# Altium PCB ChuanGanQi.PcbDoc (continued)
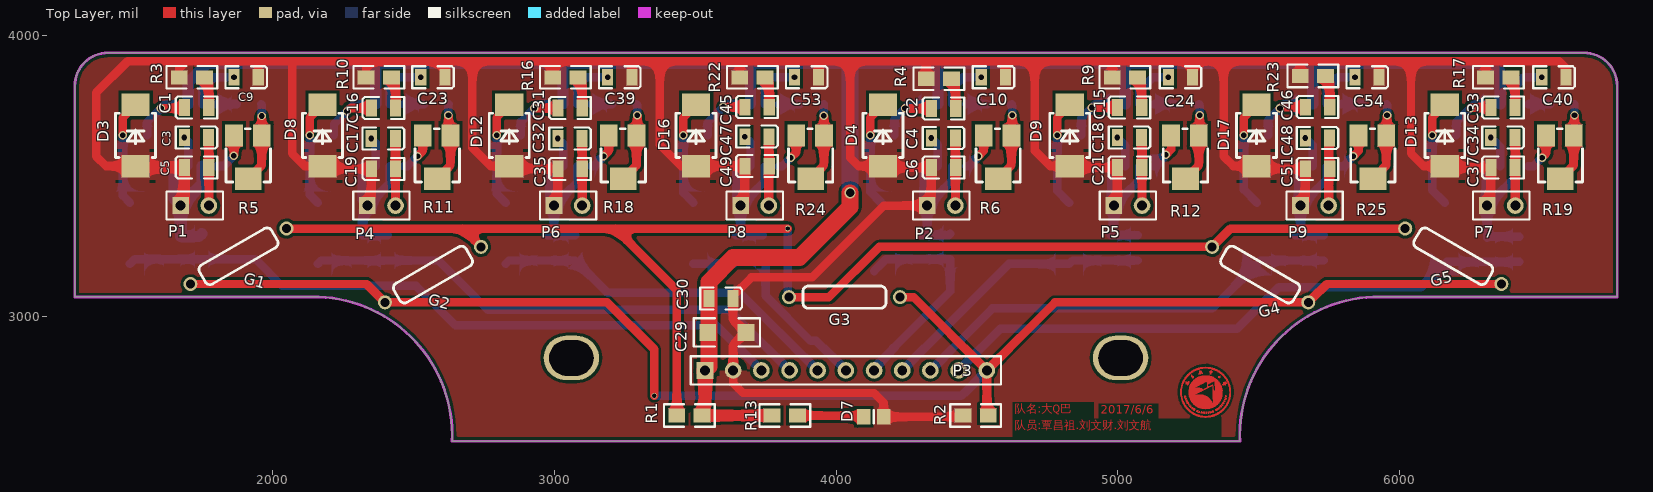
[diagram p0: Top Layer view]
## Nets (pads, with @x,y where several pads share a name; then routed paths per layer and width w, separated by ;. In a path a pad name is that pad's centre, name@x,y a point inside that pad or via, vN(x,y) a via of type N, cw(c..) or ccw(c..) an arc to the next point about the centre after c; other vN are vias at no path point) (continued)
  Top Layer w30: v1(3458.57,3645) 3458.57,3707 D16.2
  Bottom Layer w30: v1(3458.57,3645) 3458.57,3440.71 D14.1
NetC52_1: C52.1 D15.1 D17.2 | length 384.9
  Top Layer w30: v1(5447.14,3645) 5447.14,3707 D17.2
  Bottom Layer w30: v1(5447.14,3645) 5447.14,3451.43 D15.1
NetC53_2: C53.2 U4.7 | length 184.3
  Bottom Layer w30: U4.7 3746.65,3821.65 3775,3850 v1(3852.57,3850)
NetC54_2: C54.2 U8.7 | length 172
  Bottom Layer w30: U8.7 5741.65,3811.65 5780,3850 v1(5841.14,3850)
NetC55_1: C55.1 R24.1 R24.2 | length 286.1
  Top Layer w30: R24.2 3957.24,3537.56 R24.1 3957.24,3712.76 v1(3956.12,3713.88)
  Bottom Layer w30: v1(3956.12,3713.88) 3956.12,3751.74 3955,3752.86 C55.1
NetC55_2: C55.2 U4.8 | length 74.5
  Bottom Layer w30: U4.8 C55.2
NetC56_2: C56.2 D14.2 P3.6 R26.2 | length 767
  Bottom Layer w30: D14.2 C56.2@3637,3188 ; C56.2 3739,3199 R26.2 3750,3190 3750,3075 3910,2915 3930,2915 P3.6
NetC57_1: C57.1 R25.1 R25.2 | length 287.4
  Top Layer w30: R25.2 5952.24,3537.56 R25.1 5955,3646.61 v1(5955,3715)
  Bottom Layer w30: C57.1 5952.24,3752.96 5955,3750.2 v1(5955,3715)
NetC57_2: C57.2 U8.8 | length 76.6
  Bottom Layer w30: U8.8 C57.2
NetC58_2: C58.2 D15.2 P3.9 R27.2 | length 1556.5
  Bottom Layer w30: P3.9 4555,3030 5335.57,3030 D15.2 5505.57,3200 R27.2
NetD7_1: D7.1 R13.2 | length 236.7
  Top Layer w30: R13.2 4093.47,2650 D7.1
NetG1_1: G1.1 G2.1 G3.1 G4.1 G5.1 R1.2 | length 5156.4
  Top Layer w30: G1.1 2675.48,3313.43 ; G2.1 2675.48,3313.43 ; R1.2 3435,3095 3216.57,3313.43 ; v2(3828.43,3313.43) 3216.57,3313.43 ; G3.1 3975,3070 4153.43,3248.43 G4.1 5399.52,3313.43 G5.1 ; 2675.48,3313.43 3216.57,3313.43
  Bottom Layer w30: v2(3828.43,3313.43) 3828.43,3074.72 G3.1
NetG1_2: G1.2 G2.2 G3.2 G4.2 G5.2 P3.11 R2.1 | length 5647
  Top Layer w30: G1.2 2334.52,3116.57 G2.2 3188.43,3051.57 3355,2885 v2(3355,2720) ; G3.2 4275,3070 P3.11 ; R2.1@4535,2655 P3.11 ; G5.2 5740.48,3116.57 G4.2 4776.57,3051.57 P3.11
  Bottom Layer w30: v2(3355,2720) 4445,2720 P3.11
NetR5_3: R5.3 U1.1 | length 149.8
  Top Layer w30: v1(1863.82,3571.18) R5.3
  Bottom Layer w30: U1.1 1827.64,3535 v1(1863.82,3571.18)
NetR6_3: R6.3 U5.1 | length 139.5
  Top Layer w30: v1(4505,3570) 4523.82,3588.82 R6.3
  Bottom Layer w30: U5.1 4470,3535 v1(4505,3570)
NetR11_3: R11.3 U2.1 | length 144.5
  Top Layer w30: v1(2515,3570) 2533.82,3588.82 R11.3
  Bottom Layer w30: U2.1 2480,3535 v1(2515,3570)
NetR12_3: R12.3 U6.1 | length 136.6
  Top Layer w30: v1(5170,3575) 5188.82,3593.82 R12.3
  Bottom Layer w30: U6.1 5130,3535 v1(5170,3575)
NetR18_3: R18.3 U3.1 | length 139.5
  Top Layer w30: v1(3175,3570) 3193.82,3588.82 R18.3
  Bottom Layer w30: U3.1 3140,3535 v1(3175,3570)
NetR19_3: R19.3 U7.1 | length 145.4
  Top Layer w30: v1(6505,3565) 6518.82,3578.82 R19.3
  Bottom Layer w30: U7.1 6475,3535 v1(6505,3565)
NetR24_3: R24.3 U4.1 | length 142.4
  Top Layer w30: v1(3840,3565) 3858.82,3583.82 R24.3
  Bottom Layer w30: U4.1 3810,3535 v1(3840,3565)
NetR25_3: R25.3 U8.1 | length 139.5
  Top Layer w30: v1(5835,3570) 5853.82,3588.82 R25.3
  Bottom Layer w30: U8.1 5800,3535 v1(5835,3570)
copper on no net: | length 11480
  Top Layer w1: 5222,2723 5227,2723 ; 5222,2724 5227,2724 ; 5222,2725 5226,2725 ; 5222,2726 5226,2726 ; 5222,2727 5226,2727 ; 5222,2728 5226,2728 ; 5222,2729 5226,2729 ; 5222,2730 5226,2730 ; 5222,2731 5226,2731 ; 5222,2732 5226,2732 ; 5222,2733 5226,2733 ; 5222,2734 5226,2734 ; 5222,2735 5226,2735 ; 5222,2736 5226,2736 ; 5222,2737 5226,2737 ; 5222,2738 5226,2738 ; 5222,2739 5226,2739 ; 5222,2740 5226,2740 ; 5222,2741 5226,2741 ; 5222,2742 5226,2742 ; 5222,2743 5227,2743 ; 5222,2744 5227,2744 ; 5223,2718 5228,2718 ; 5223,2719 5227,2719 ; 5223,2720 5227,2720 ; 5223,2721 5227,2721 ; 5223,2722 5227,2722 ; 5223,2745 5227,2745 ; 5223,2746 5227,2746 ; 5223,2747 5227,2747 ; 5223,2748 5227,2748 ; 5223,2749 5228,2749 ; 5224,2712 5229,2712 ; 5224,2713 5229,2713 ; 5224,2714 5228,2714 ; 5224,2715 5228,2715 ; 5224,2716 5228,2716 ; 5224,2717 5228,2717 ; 5224,2750 5228,2750 ; 5224,2751 5228,2751 ; 5224,2752 5228,2752 ; 5224,2753 5228,2753 ; 5224,2754 5229,2754 ; 5224,2755 5229,2755 ; 5225,2709 5230,2709 ; 5225,2710 5229,2710 ; 5225,2711 5229,2711 ; 5225,2756 5229,2756 ; 5225,2757 5229,2757 ; 5225,2758 5230,2758 ; 5226,2705 5231,2705 ; 5226,2706 5231,2706 ; 5226,2707 5230,2707 ; 5226,2708 5230,2708 ; 5226,2759 5230,2759 ; 5226,2760 5230,2760 ; 5226,2761 5230,2761 ; 5227,2703 5232,2703 ; 5227,2704 5231,2704 ; 5227,2762 5231,2762 ; 5227,2763 5231,2763 ; 5227,2764 5232,2764 ; 5228,2700 5233,2700 ; 5228,2701 5233,2701 ; 5228,2702 5232,2702 ; 5228,2765 5232,2765 ; 5228,2766 5233,2766 ; 5228,2767 5233,2767 ; 5229,2698 5234,2698 ; 5229,2699 5233,2699 ; 5229,2768 5233,2768 ; 5229,2769 5234,2769 ; 5230,2695 5235,2695 ; 5230,2696 5235,2696 ; 5230,2697 5235,2697 ; 5230,2770 5235,2770 ; 5230,2771 5235,2771 ; 5230,2772 5235,2772 ; 5231,2694 5236,2694 ; 5231,2773 5236,2773 ; 5232,2692 5237,2692 ; 5232,2693 5237,2693 ; 5232,2774 5237,2774 ; 5232,2775 5237,2775 ; 5233,2690 5238,2690 ; 5233,2691 5238,2691 ; 5233,2776 5237,2776 ; 5233,2777 5238,2777 ; 5234,2689 5239,2689 ; 5234,2778 5239,2778 ; 5234,2779 5239,2779 ; 5235,2687 5240,2687 ; 5235,2688 5239,2688 ; 5235,2719 5237,2719 ; 5235,2720 5241,2720 ; 5235,2780 5240,2780 ; 5236,2685 5241,2685 ; 5236,2686 5241,2686 ; 5236,2715 5239,2715 ; 5236,2716 5238,2716 ; 5236,2781 5241,2781 ; 5237,2684 5242,2684 ; 5237,2711 5244,2711 ; 5237,2717 5239,2717 ; 5237,2782 5241,2782 ; 5237,2783 5242,2783 ; 5238,2682 5244,2682 ; 5238,2683 5243,2683 ; 5238,2718 5239,2718 ; 5238,2784 5243,2784 ; 5238,2785 5244,2785 ; 5239,2681 5244,2681 ; 5239,2707 5240,2707 ; 5239,2708 5241,2708 ; 5239,2709 5243,2709 ; 5239,2710 5240,2710 ; 5239,2716 5242,2716 ; 5239,2719 5241,2719 ; 5239,2770 5242,2770 ; 5239,2786 5244,2786 ; 5240,2679 5246,2679 ; 5240,2680 5245,2680 ; 5240,2703 5242,2703 ; 5240,2787 5245,2787 ; 5241,2678 5247,2678 ; 5241,2704 5244,2704 ; 5241,2762 5242,2762 ; 5241,2763 5242,2763 ; 5241,2764 5243,2764 ; 5241,2765 5243,2765 ; 5241,2769 5245,2769 ; 5241,2788 5246,2788 ; 5241,2789 5247,2789 ; 5242,2677 5248,2677 ; 5242,2699 5244,2699 ; 5242,2700 5245,2700 ; 5242,2710 5244,2710 ; 5242,2766 5243,2766 ; 5242,2767 5244,2767 ; 5242,2768 5244,2768 ; 5242,2790 5248,2790 ; 5243,2676 5249,2676 ; 5243,2701 5244,2701 ; 5243,2702 5244,2702 ; 5243,2791 5248,2791 ; 5244,2675 5250,2675 ; 5244,2703 5246,2703 ; 5244,2705 5246,2705 ; 5244,2765 5247,2765 ; 5244,2766 5249,2766 ; 5244,2770 5245,2770 ; 5244,2792 5250,2792 ; 5245,2674 5251,2674 ; 5245,2694 5246,2694 ; 5245,2695 5246,2695 ; 5245,2696 5247,2696 ; 5245,2701 5248,2701 ; 5245,2704 5246,2704 ; 5245,2706 5246,2706 ; 5245,2762 5246,2762 ; 5245,2763 5252,2763 ; 5245,2764 5247,2764 ; 5245,2793 5251,2793 ; 5246,2673 5252,2673 ; 5246,2693 5248,2693 ; 5246,2697 5251,2697 ; 5246,2760 5248,2760 ; 5246,2761 5249,2761 ; 5246,2767 5249,2767 ; 5246,2768 5249,2768 ; 5246,2794 5252,2794 ; 5247,2672 5253,2672 ; 5247,2702 5248,2702 ; 5247,2759 5248,2759 ; 5247,2795 5253,2795 ; 5247,2796 5254,2796 ; 5248,2670 5255,2670 ; 5248,2671 5254,2671 ; 5248,2698 5250,2698 ; 5248,2762 5252,2762 ; 5248,2764 5250,2764 ; 5248,2765 5250,2765 ; 5248,2769 5250,2769 ; 5248,2797 5255,2797 ; 5249,2689 5250,2689 ; 5249,2770 5250,2770 ; 5250,2668 5257,2668 ; 5250,2669 5256,2669 ; 5250,2690 5253,2690 ; 5250,2694 5251,2694 ; 5250,2695 5251,2695 ; 5250,2696 5251,2696 ; 5250,2771 5253,2771 ; 5250,2798 5256,2798 ; 5250,2799 5257,2799 ; 5251,2686 5253,2686 ; 5251,2691 5253,2691 ; 5251,2766 5253,2766 ; 5251,2767 5253,2767 ; 5251,2770 5253,2770 ; 5252,2667 5258,2667 ; 5252,2687 5253,2687 ; 5252,2689 5253,2689 ; 5252,2721 5264,2721 ; 5252,2725 5272,2725 ; 5252,2726 5273,2726 ; 5252,2727 5276,2727 ; 5252,2728 5277,2728 ; 5252,2729 5279,2729 ; 5252,2730 5281,2730 ; 5252,2731 5283,2731 ; 5252,2732 5286,2732 ; 5252,2733 5287,2733 ; 5252,2734 5289,2734 ; 5252,2735 5291,2735 ; 5252,2736 5294,2736 ; 5252,2737 5295,2737 ; 5252,2738 5297,2738 ; 5252,2739 5299,2739 ; 5252,2740 5301,2740 ; 5252,2741 5303,2741 ; 5252,2742 5305,2742 ; 5252,2768 5253,2768 ; 5252,2769 5253,2769 ; 5252,2800 5259,2800 ; 5253,2666 5259,2666 ; 5253,2688 5255,2688 ; 5253,2692 5254,2692 ; 5253,2719 5313,2719 ; 5253,2720 5261,2720 ; 5253,2722 5266,2722 ; 5253,2723 5268,2723 ; 5253,2724 5269,2724 ; 5253,2743 5302,2743 ; 5253,2744 5301,2744 ; 5253,2745 5299,2745 ; 5253,2746 5297,2746 ; 5253,2747 5266,2747 ; 5253,2748 5267,2748 ; 5253,2801 5259,2801 ; 5254,2665 5261,2665 ; 5254,2683 5257,2683 ; 5254,2689 5256,2689 ; 5254,2716 5318,2716 ; 5254,2717 5317,2717 ; 5254,2718 5316,2718 ; 5254,2749 5270,2749 ; 5254,2750 5271,2750 ; 5254,2751 5273,2751 ; 5254,2752 5275,2752 ; 5254,2802 5261,2802 ; 5255,2664 5262,2664 ; 5255,2713 5322,2713 ; 5255,2714 5321,2714 ; 5255,2715 5320,2715 ; 5255,2753 5277,2753 ; 5255,2754 5279,2754 ; 5255,2755 5281,2755 ; 5255,2757 5256,2757 ; 5255,2803 5262,2803 ; 5256,2682 5259,2682 ; 5256,2684 5260,2684 ; 5256,2711 5324,2711 ; 5256,2712 5323,2712 ; 5256,2756 5283,2756 ; 5257,2663 5264,2663 ; 5257,2679 5258,2679 ; 5257,2680 5258,2680 ; 5257,2681 5259,2681 ; 5257,2708 5327,2708 ; 5257,2709 5326,2709 ; 5257,2710 5325,2710 ; 5257,2757 5285,2757 ; 5257,2758 5287,2758 ; 5257,2759 5289,2759 ; 5257,2761 5258,2761 ; 5257,2804 5264,2804 ; 5258,2662 5265,2662 ; 5258,2685 5260,2685 ; 5258,2707 5328,2707 ; 5258,2760 5291,2760 ; 5258,2805 5265,2805 ; 5259,2661 5267,2661 ; 5259,2683 5260,2683 ; 5259,2705 5329,2705 ; 5259,2706 5328,2706 ; 5259,2761 5293,2761 ; 5259,2762 5295,2762 ; 5259,2763 5297,2763 ; 5259,2806 5268,2806 ; 5260,2677 5261,2677 ; 5260,2703 5330,2703 ; 5260,2704 5330,2704 ; 5260,2764 5298,2764 ; 5260,2790 5262,2790 ; 5260,2793 5264,2793 ; 5261,2660 5268,2660 ; 5261,2678 5262,2678 ; 5261,2701 5332,2701 ; 5261,2702 5331,2702 ; 5261,2765 5301,2765 ; 5261,2766 5302,2766 ; 5261,2789 5262,2789 ; 5261,2791 5264,2791 ; 5261,2794 5263,2794 ; 5261,2807 5268,2807 ; 5262,2659 5270,2659 ; 5262,2679 5265,2679 ; 5262,2680 5265,2680 ; 5262,2700 5333,2700 ; 5262,2767 5305,2767 ; 5262,2788 5266,2788 ; 5262,2792 5264,2792 ; 5262,2808 5270,2808 ; 5263,2674 5265,2674 ; 5263,2675 5266,2675 ; 5263,2676 5264,2676 ; 5263,2699 5333,2699 ; 5263,2720 5312,2720 ; 5263,2768 5306,2768 ; 5263,2787 5266,2787 ; 5263,2789 5265,2789 ; 5263,2790 5264,2790 ; 5264,2658 5273,2658 ; 5264,2678 5265,2678 ; 5264,2697 5335,2697 ; 5264,2698 5334,2698 ; 5264,2769 5309,2769 ; 5264,2770 5310,2770 ; 5264,2784 5268,2784 ; 5264,2785 5266,2785 ; 5264,2786 5265,2786 ; 5264,2809 5272,2809 ; 5265,2657 5274,2657 ; 5265,2676 5266,2676 ; 5265,2696 5335,2696 ; 5265,2771 5313,2771 ; 5265,2810 5274,2810 ; 5266,2677 5267,2677 ; 5266,2695 5335,2695 ; 5266,2772 5315,2772 ; 5266,2786 5269,2786 ; 5266,2789 5269,2789 ; 5267,2656 5277,2656 ; 5267,2678 5268,2678 ; 5267,2694 5336,2694 ; 5267,2721 5309,2721 ; 5267,2773 5340,2773 ; 5267,2785 5268,2785 ; 5267,2787 5269,2787 ; 5267,2788 5269,2788 ; 5267,2811 5277,2811 ; 5268,2655 5278,2655 ; 5268,2671 5269,2671 ; 5268,2672 5269,2672 ; 5268,2673 5269,2673 ; 5268,2674 5270,2674 ; 5268,2692 5301,2692 ; 5268,2693 5337,2693 ; 5268,2774 5342,2774 ; 5268,2775 5354,2775 ; 5268,2812 5278,2812 ; 5269,2670 5270,2670 ; 5269,2675 5273,2675 ; 5270,2669 5272,2669 ; 5270,2672 5272,2672 ; 5270,2690 5301,2690 ; 5270,2691 5300,2691 ; 5270,2722 5307,2722 ; 5270,2747 5293,2747 ; 5270,2776 5353,2776 ; 5270,2777 5352,2777 ; 5271,2654 5281,2654 ; 5271,2670 5273,2670 ; 5271,2671 5273,2671 ; 5271,2813 5281,2813 ; 5272,2689 5301,2689 ; 5272,2778 5350,2778 ; 5272,2779 5350,2779 ; 5273,2653 5284,2653 ; 5273,2673 5274,2673 ; 5273,2674 5274,2674 ; 5273,2688 5301,2688 ; 5273,2814 5284,2814 ; 5274,2687 5300,2687 ; 5274,2748 5290,2748 ; 5274,2780 5348,2780 ; 5275,2652 5288,2652 ; 5275,2686 5300,2686 ; 5275,2781 5347,2781 ; 5275,2815 5288,2815 ; 5276,2723 5303,2723 ; 5277,2651 5290,2651 ; 5277,2685 5347,2685 ; 5277,2782 5346,2782 ; 5277,2816 5290,2816 ; 5278,2665 5279,2665 ; 5278,2684 5345,2684 ; 5278,2783 5345,2783 ; 5279,2666 5280,2666 ; 5279,2667 5282,2667 ; 5280,2650 5296,2650 ; 5280,2668 5281,2668 ; 5280,2669 5281,2669 ; 5280,2683 5343,2683 ; 5280,2784 5342,2784 ; 5280,2817 5296,2817 ; 5281,2682 5341,2682 ; 5281,2785 5341,2785 ; 5282,2649 5302,2649 ; 5282,2664 5283,2664 ; 5282,2665 5284,2665 ; 5282,2666 5284,2666 ; 5282,2724 5298,2724 ; 5282,2818 5302,2818 ; 5283,2667 5284,2667 ; 5283,2681 5340,2681 ; 5283,2786 5340,2786 ; 5284,2668 5285,2668 ; 5285,2648 5338,2648 ; 5285,2680 5337,2680 ; 5286,2662 5287,2662 ; 5286,2663 5289,2663 ; 5286,2787 5338,2787 ; 5286,2798 5288,2798 ; 5286,2799 5288,2799 ; 5286,2819 5337,2819 ; 5287,2664 5288,2664 ; 5287,2679 5335,2679 ; 5287,2788 5335,2788 ; 5288,2662 5291,2662 ; 5288,2665 5289,2665 ; 5288,2800 5293,2800 ; 5288,2801 5293,2801 ; 5288,2804 5292,2804 ; 5288,2805 5292,2805 ; 5288,2809 5291,2809 ; 5289,2647 5334,2647 ; 5289,2666 5291,2666 ; 5289,2799 5291,2799 ; 5289,2802 5293,2802 ; 5289,2803 5293,2803 ; 5289,2806 5291,2806 ; 5289,2807 5290,2807 ; 5289,2808 5291,2808 ; 5290,2660 5291,2660 ; 5290,2661 5291,2661 ; 5290,2663 5291,2663 ; 5290,2664 5291,2664 ; 5290,2665 5291,2665 ; 5290,2678 5332,2678 ; 5290,2789 5333,2789 ; 5290,2798 5291,2798 ; 5290,2820 5333,2820 ; 5292,2677 5330,2677 ; 5292,2790 5330,2790 ; 5292,2798 5294,2798 ; 5292,2799 5293,2799 ; 5292,2821 5330,2821 ; 5293,2646 5330,2646 ; 5293,2804 5297,2804 ; 5293,2809 5296,2809 ; 5294,2659 5295,2659 ; 5294,2660 5295,2660 ; 5294,2661 5295,2661 ; 5294,2662 5295,2662 ; 5294,2801 5295,2801 ; 5294,2802 5297,2802 ; 5294,2805 5297,2805 ; 5295,2664 5297,2664 ; 5295,2665 5297,2665 ; 5295,2803 5297,2803 ; 5295,2806 5297,2806 ; 5295,2808 5296,2808 ; 5296,2662 5297,2662 ; 5296,2663 5297,2663 ; 5296,2807 5297,2807 ; 5297,2659 5299,2659 ; 5297,2660 5298,2660 ; 5297,2661 5298,2661 ; 5297,2676 5326,2676 ; 5297,2791 5326,2791 ; 5297,2800 5301,2800 ; 5299,2645 5324,2645 ; 5299,2661 5300,2661 ; 5299,2662 5300,2662 ; 5299,2663 5300,2663 ; 5299,2664 5300,2664 ; 5299,2801 5302,2801 ; 5299,2822 5323,2822 ; 5300,2675 5322,2675 ; 5301,2792 5324,2792 ; 5302,2660 5304,2660 ; 5302,2661 5304,2661 ; 5302,2687 5308,2687 ; 5302,2688 5306,2688 ; 5302,2689 5306,2689 ; 5302,2690 5305,2690 ; 5302,2691 5306,2691 ; 5302,2692 5306,2692 ; 5303,2659 5304,2659 ; 5303,2662 5304,2662 ; 5303,2663 5308,2663 ; 5303,2686 5307,2686 ; 5304,2658 5308,2658 ; 5304,2743 5307,2743 ; 5305,2744 5309,2744 ; 5306,2659 5308,2659 ; 5306,2660 5308,2660 ; 5307,2662 5308,2662 ; 5307,2690 5309,2690 ; 5307,2691 5309,2691 ; 5308,2688 5309,2688 ; 5308,2689 5309,2689 ; 5308,2745 5311,2745 ; 5309,2644 5310,2644 ; 5309,2686 5315,2686 ; 5309,2692 5314,2692 ; 5309,2746 5313,2746 ; 5310,2687 5315,2687 ; 5310,2688 5316,2688 ; 5310,2691 5313,2691 ; 5311,2658 5313,2658 ; 5311,2659 5315,2659 ; 5311,2660 5314,2660 ; 5311,2661 5314,2661 ; 5311,2662 5315,2662 ; 5311,2663 5312,2663 ; 5311,2673 5312,2673 ; 5311,2689 5315,2689 ; 5311,2690 5313,2690 ; 5311,2823 5312,2823 ; 5312,2644 5313,2644 ; 5312,2747 5315,2747 ; 5313,2748 5317,2748 ; 5314,2658 5316,2658 ; 5314,2663 5315,2663 ; 5314,2690 5322,2690 ; 5316,2691 5319,2691 ; 5316,2749 5319,2749 ; 5316,2769 5332,2769 ; 5316,2770 5334,2770 ; 5316,2772 5338,2772 ; 5317,2686 5319,2686 ; 5317,2687 5320,2687 ; 5317,2689 5322,2689 ; 5317,2692 5320,2692 ; 5317,2750 5321,2750 ; 5317,2751 5322,2751 ; 5317,2752 5325,2752 ; 5317,2753 5326,2753 ; 5317,2754 5319,2754 ; 5317,2755 5318,2755 ; 5317,2756 5318,2756 ; 5317,2757 5318,2757 ; 5317,2758 5318,2758 ; 5317,2759 5318,2759 ; 5317,2760 5318,2760 ; 5317,2761 5319,2761 ; 5317,2762 5319,2762 ; 5317,2763 5320,2763 ; 5317,2764 5322,2764 ; 5317,2765 5324,2765 ; 5317,2766 5326,2766 ; 5317,2767 5328,2767 ; 5317,2768 5330,2768 ; 5317,2771 5336,2771 ; 5318,2688 5321,2688 ; 5319,2659 5320,2659 ; 5319,2660 5320,2660 ; 5319,2661 5320,2661 ; 5319,2662 5320,2662 ; 5319,2663 5320,2663 ; 5320,2664 5322,2664 ; 5320,2686 5321,2686 ; 5320,2691 5322,2691 ; 5321,2649 5340,2649 ; 5321,2658 5322,2658 ; 5321,2687 5323,2687 ; 5321,2818 5340,2818 ; 5322,2663 5324,2663 ; 5323,2659 5324,2659 ; 5323,2660 5324,2660 ; 5323,2661 5324,2661 ; 5323,2662 5324,2662 ; 5323,2688 5350,2688 ; 5323,2692 5337,2692 ; 5324,2686 5347,2686 ; 5324,2687 5348,2687 ; 5324,2689 5350,2689 ; 5324,2690 5352,2690 ; 5324,2691 5353,2691 ; 5325,2805 5326,2805 ; 5325,2806 5327,2806 ; 5326,2664 5329,2664 ; 5326,2665 5328,2665 ; 5326,2754 5329,2754 ; 5326,2798 5332,2798 ; 5326,2807 5335,2807 ; 5326,2817 5343,2817 ; 5327,2650 5343,2650 ; 5327,2661 5328,2661 ; 5327,2662 5328,2662 ; 5327,2663 5328,2663 ; 5327,2755 5330,2755 ; 5327,2808 5328,2808 ; 5328,2659 5329,2659 ; 5328,2660 5329,2660 ; 5328,2799 5330,2799 ; 5328,2800 5331,2800 ; 5328,2801 5331,2801 ; 5328,2803 5329,2803 ; 5328,2804 5330,2804 ; 5328,2805 5330,2805 ; 5329,2663 5330,2663 ; 5329,2756 5333,2756 ; 5330,2661 5333,2661 ; 5330,2662 5331,2662 ; 5330,2802 5331,2802 ; 5330,2808 5333,2808 ; 5331,2660 5332,2660 ; 5331,2663 5333,2663 ; 5331,2664 5332,2664 ; 5331,2665 5332,2665 ; 5331,2666 5332,2666 ; 5331,2757 5334,2757 ; 5331,2803 5333,2803 ; 5331,2804 5333,2804 ; 5331,2805 5333,2805 ; 5331,2809 5333,2809 ; 5331,2810 5332,2810 ; 5332,2651 5346,2651 ; 5332,2662 5333,2662 ; 5332,2806 5333,2806 ; 5332,2816 5346,2816 ; 5333,2758 5337,2758 ; 5335,2652 5348,2652 ; 5335,2663 5340,2663 ; 5335,2664 5336,2664 ; 5335,2665 5336,2665 ; 5335,2666 5336,2666 ; 5335,2667 5336,2667 ; 5335,2759 5337,2759 ; 5335,2805 5337,2805 ; 5335,2806 5337,2806 ; 5335,2815 5348,2815 ; 5336,2746 5338,2746 ; 5336,2748 5338,2748 ; 5336,2749 5338,2749 ; 5336,2750 5338,2750 ; 5336,2751 5338,2751 ; 5336,2752 5338,2752 ; 5336,2753 5338,2753 ; 5336,2754 5338,2754 ; 5336,2755 5338,2755 ; 5336,2756 5337,2756 ; 5336,2757 5337,2757 ; 5337,2662 5338,2662 ; 5337,2668 5339,2668 ; 5337,2709 5366,2709 ; 5337,2710 5366,2710 ; 5337,2711 5366,2711 ; 5337,2712 5368,2712 ; 5337,2713 5367,2713 ; 5337,2714 5368,2714 ; 5337,2715 5368,2715 ; 5337,2716 5368,2716 ; 5337,2717 5368,2717 ; 5337,2718 5370,2718 ; 5337,2719 5369,2719 ; 5337,2720 5369,2720 ; 5337,2721 5370,2721 ; 5337,2722 5370,2722 ; 5337,2723 5370,2723 ; 5337,2724 5370,2724 ; 5337,2725 5370,2725 ; 5337,2726 5370,2726 ; 5337,2727 5370,2727 ; 5337,2728 5371,2728 ; 5337,2729 5371,2729 ; 5337,2730 5371,2730 ; 5337,2731 5371,2731 ; 5337,2732 5371,2732 ; 5337,2733 5371,2733 ; 5337,2734 5371,2734 ; 5337,2735 5344,2735 ; 5337,2736 5344,2736 ; 5337,2737 5343,2737 ; 5337,2738 5342,2738 ; 5337,2739 5342,2739 ; 5337,2740 5341,2740 ; 5337,2741 5340,2741 ; 5337,2742 5339,2742 ; 5337,2743 5339,2743 ; 5337,2744 5338,2744 ; 5337,2745 5338,2745 ; 5337,2747 5338,2747 ; 5338,2665 5341,2665 ; 5338,2692 5354,2692 ; 5338,2693 5355,2693 ; 5338,2694 5356,2694 ; 5338,2695 5357,2695 ; 5338,2696 5357,2696 ; 5338,2697 5359,2697 ; 5338,2698 5359,2698 ; 5338,2699 5360,2699 ; 5338,2700 5361,2700 ; 5338,2701 5361,2701 ; 5338,2702 5362,2702 ; 5338,2703 5363,2703 ; 5338,2704 5363,2704 ; 5338,2705 5365,2705 ; 5338,2706 5364,2706 ; 5338,2707 5365,2707 ; 5338,2708 5365,2708 ; 5339,2653 5350,2653 ; 5339,2664 5341,2664 ; 5339,2666 5340,2666 ; 5339,2814 5350,2814 ; 5341,2654 5352,2654 ; 5341,2813 5352,2813 ; 5344,2655 5354,2655 ; 5344,2757 5366,2757 ; 5344,2758 5366,2758 ; 5344,2759 5365,2759 ; 5344,2760 5365,2760 ; 5344,2761 5364,2761 ; 5344,2762 5364,2762 ; 5344,2763 5363,2763 ; 5344,2764 5363,2764 ; 5344,2765 5362,2765 ; 5344,2766 5361,2766 ; 5344,2767 5361,2767 ; 5344,2768 5360,2768 ; 5344,2769 5359,2769 ; 5344,2770 5358,2770 ; 5344,2771 5357,2771 ; 5344,2772 5357,2772 ; 5344,2773 5356,2773 ; 5344,2774 5355,2774 ; 5344,2812 5354,2812 ; 5345,2735 5371,2735 ; 5345,2736 5371,2736 ; 5345,2737 5371,2737 ; 5345,2738 5371,2738 ; 5345,2739 5371,2739 ; 5345,2740 5372,2740 ; 5345,2741 5370,2741 ; 5345,2742 5370,2742 ; 5345,2743 5370,2743 ; 5345,2744 5370,2744 ; 5345,2745 5370,2745 ; 5345,2746 5370,2746 ; 5345,2747 5370,2747 ; 5345,2748 5369,2748 ; 5345,2749 5369,2749 ; 5345,2750 5368,2750 ; 5345,2751 5369,2751 ; 5345,2752 5368,2752 ; 5345,2753 5368,2753 ; 5345,2754 5368,2754 ; 5345,2755 5367,2755 ; 5345,2756 5367,2756 ; 5346,2656 5355,2656 ; 5346,2670 5348,2670 ; 5346,2671 5347,2671 ; 5346,2672 5347,2672 ; 5346,2811 5355,2811 ; 5347,2669 5348,2669 ; 5348,2668 5351,2668 ; 5349,2657 5358,2657 ; 5349,2673 5351,2673 ; 5349,2674 5350,2674 ; 5349,2810 5357,2810 ; 5350,2658 5359,2658 ; 5350,2671 5352,2671 ; 5350,2672 5352,2672 ; 5350,2809 5359,2809 ; 5351,2669 5352,2669 ; 5351,2670 5352,2670 ; 5352,2676 5356,2676 ; 5353,2659 5361,2659 ; 5353,2675 5354,2675 ; 5353,2690 5354,2690 ; 5353,2808 5361,2808 ; 5354,2660 5362,2660 ; 5354,2673 5356,2673 ; 5354,2674 5355,2674 ; 5354,2807 5362,2807 ; 5355,2661 5363,2661 ; 5355,2672 5356,2672 ; 5355,2675 5357,2675 ; 5355,2806 5363,2806 ; 5356,2678 5357,2678 ; 5356,2679 5357,2679 ; 5356,2786 5359,2786 ; 5356,2787 5364,2787 ; 5357,2662 5365,2662 ; 5357,2676 5359,2676 ; 5357,2677 5358,2677 ; 5357,2789 5359,2789 ; 5357,2790 5358,2790 ; 5357,2805 5365,2805 ; 5358,2674 5359,2674 ; 5358,2675 5360,2675 ; 5358,2696 5359,2696 ; 5359,2663 5366,2663 ; 5359,2681 5361,2681 ; 5359,2682 5360,2682 ; 5359,2782 5360,2782 ; 5359,2783 5360,2783 ; 5359,2784 5360,2784 ; 5359,2788 5362,2788 ; 5359,2804 5366,2804 ; 5360,2664 5368,2664 ; 5360,2680 5361,2680 ; 5361,2679 5362,2679 ; 5361,2789 5362,2789 ; 5361,2802 5368,2802 ; 5361,2803 5367,2803 ; 5362,2665 5368,2665 ; 5362,2678 5364,2678 ; 5362,2684 5364,2684 ; 5362,2786 5364,2786 ; 5362,2790 5364,2790 ; 5363,2683 5366,2683 ; 5363,2791 5364,2791 ; 5363,2801 5370,2801 ; 5364,2666 5370,2666 ; 5364,2667 5370,2667 ; 5364,2687 5366,2687 ; 5364,2800 5371,2800 ; 5365,2682 5368,2682 ; 5365,2686 5366,2686 ; 5366,2668 5373,2668 ; 5366,2684 5367,2684 ; 5366,2685 5367,2685 ; 5366,2799 5372,2799 ; 5367,2669 5373,2669 ; 5367,2683 5368,2683 ; 5367,2690 5368,2690 ; 5367,2798 5373,2798 ; 5368,2670 5374,2670 ; 5368,2689 5370,2689 ; 5368,2691 5369,2691 ; 5368,2797 5375,2797 ; 5369,2671 5375,2671 ; 5369,2688 5371,2688 ; 5369,2692 5370,2692 ; 5369,2796 5375,2796 ; 5370,2672 5376,2672 ; 5370,2687 5372,2687 ; 5370,2690 5371,2690 ; 5370,2795 5376,2795 ; 5371,2673 5377,2673 ; 5371,2686 5372,2686 ; 5371,2695 5373,2695 ; 5371,2696 5372,2696 ; 5371,2761 5372,2761 ; 5371,2794 5377,2794 ; 5372,2674 5378,2674 ; 5372,2688 5373,2688 ; 5372,2694 5375,2694 ; 5372,2697 5373,2697 ; 5372,2760 5377,2760 ; 5372,2793 5378,2793 ; 5373,2675 5379,2675 ; 5373,2689 5374,2689 ; 5373,2698 5375,2698 ; 5373,2759 5374,2759 ; 5373,2762 5376,2762 ; 5373,2763 5374,2763 ; 5373,2767 5376,2767 ; 5373,2792 5379,2792 ; 5374,2676 5380,2676 ; 5374,2693 5377,2693 ; 5374,2695 5375,2695 ; 5374,2696 5378,2696 ; 5374,2697 5375,2697 ; 5374,2761 5377,2761 ; 5374,2768 5376,2768 ; 5374,2791 5379,2791 ; 5375,2677 5381,2677 ; 5375,2692 5376,2692 ; 5375,2701 5378,2701 ; 5375,2702 5376,2702 ; 5375,2703 5376,2703 ; 5375,2764 5378,2764 ; 5375,2790 5381,2790 ; 5376,2678 5381,2678 ; 5376,2704 5378,2704 ; 5376,2789 5381,2789 ; 5377,2679 5382,2679 ; 5377,2680 5383,2680 ; 5377,2695 5378,2695 ; 5377,2702 5379,2702 ; 5377,2708 5380,2708 ; 5377,2759 5378,2759 ; 5377,2762 5382,2762 ; 5377,2763 5382,2763 ; 5377,2766 5386,2766 ; 5377,2767 5378,2767 ; 5377,2768 5379,2768 ; 5377,2787 5383,2787 ; 5377,2788 5382,2788 ; 5378,2703 5381,2703 ; 5378,2765 5384,2765 ; 5378,2786 5384,2786 ; 5379,2681 5384,2681 ; 5379,2682 5384,2682 ; 5379,2699 5380,2699 ; 5379,2700 5381,2700 ; 5379,2711 5380,2711 ; 5379,2712 5380,2712 ; 5379,2713 5384,2713 ; 5379,2764 5385,2764 ; 5379,2767 5385,2767 ; 5379,2769 5383,2769 ; 5379,2784 5385,2784 ; 5379,2785 5384,2785 ; 5380,2683 5385,2683 ; 5380,2701 5381,2701 ; 5380,2702 5381,2702 ; 5380,2707 5384,2707 ; 5380,2714 5381,2714 ; 5380,2715 5381,2715 ; 5380,2761 5383,2761 ; 5380,2768 5382,2768 ; 5381,2684 5386,2684 ; 5381,2685 5386,2685 ; 5381,2712 5386,2712 ; 5381,2719 5387,2719 ; 5381,2722 5383,2722 ; 5381,2760 5382,2760 ; 5381,2782 5386,2782 ; 5381,2783 5386,2783 ; 5382,2686 5387,2686 ; 5382,2706 5383,2706 ; 5382,2721 5384,2721 ; 5382,2781 5387,2781 ; 5383,2687 5388,2687 ; 5383,2780 5388,2780 ; 5384,2688 5388,2688 ; 5384,2689 5389,2689 ; 5384,2720 5387,2720 ; 5384,2768 5385,2768 ; 5384,2778 5389,2778 ; 5384,2779 5388,2779 ; 5385,2690 5390,2690 ; 5385,2691 5390,2691 ; 5385,2765 5386,2765 ; 5385,2776 5390,2776 ; 5385,2777 5390,2777 ; 5386,2692 5390,2692 ; 5386,2693 5391,2693 ; 5386,2774 5391,2774 ; 5386,2775 5390,2775 ; 5387,2694 5392,2694 ; 5387,2695 5392,2695 ; 5387,2772 5392,2772 ; 5387,2773 5391,2773 ; 5388,2696 5393,2696 ; 5388,2697 5393,2697 ; 5388,2770 5393,2770 ; 5388,2771 5393,2771 ; 5389,2698 5393,2698 ; 5389,2699 5394,2699 ; 5389,2768 5394,2768 ; 5389,2769 5393,2769 ; 5390,2700 5394,2700 ; 5390,2701 5395,2701 ; 5390,2702 5395,2702 ; 5390,2765 5395,2765 ; 5390,2766 5395,2766 ; 5390,2767 5394,2767 ; 5391,2703 5395,2703 ; 5391,2704 5396,2704 ; 5391,2763 5396,2763 ; 5391,2764 5395,2764 ; 5392,2705 5396,2705 ; 5392,2706 5397,2706 ; 5392,2760 5397,2760 ; 5392,2761 5397,2761 ; 5392,2762 5396,2762 ; 5393,2707 5397,2707 ; 5393,2708 5397,2708 ; 5393,2709 5397,2709 ; 5393,2710 5398,2710 ; 5393,2711 5398,2711 ; 5393,2757 5398,2757 ; 5393,2758 5397,2758 ; 5393,2759 5397,2759 ; 5394,2712 5398,2712 ; 5394,2713 5398,2713 ; 5394,2714 5399,2714 ; 5394,2754 5399,2754 ; 5394,2755 5398,2755 ; 5394,2756 5398,2756 ; 5395,2715 5399,2715 ; 5395,2716 5399,2716 ; 5395,2717 5399,2717 ; 5395,2718 5399,2718 ; 5395,2719 5400,2719 ; 5395,2720 5400,2720 ; 5395,2747 5400,2747 ; 5395,2748 5400,2748 ; 5395,2749 5399,2749 ; 5395,2750 5399,2750 ; 5395,2751 5399,2751 ; 5395,2752 5399,2752 ; 5395,2753 5399,2753 ; 5396,2721 5400,2721 ; 5396,2722 5400,2722 ; 5396,2723 5400,2723 ; 5396,2724 5400,2724 ; 5396,2725 5401,2725 ; 5396,2726 5401,2726 ; 5396,2727 5401,2727 ; 5396,2728 5401,2728 ; 5396,2738 5401,2738 ; 5396,2740 5401,2740 ; 5396,2741 5401,2741 ; 5396,2742 5401,2742 ; 5396,2743 5400,2743 ; 5396,2744 5400,2744 ; 5396,2745 5400,2745 ; 5396,2746 5400,2746 ; 5397,2729 5401,2729 ; 5397,2730 5401,2730 ; 5397,2731 5401,2731 ; 5397,2732 5401,2732 ; 5397,2733 5401,2733 ; 5397,2734 5401,2734 ; 5397,2735 5401,2735 ; 5397,2736 5401,2736 ; 5397,2737 5401,2737 ; 5397,2739 5401,2739

## Polygon pours and split planes (outlines as drawn)
NetC29_1 on Bottom Layer "Bottom Layer-No Net" (solid, remove dead copper, pour order 18): 1250,3950 1250,3850 6800,3850 6800,3950
GND on Bottom Layer "Bottom Layer-No Net" (solid, remove dead copper, pour order 26): 1250,3850 1250,2550 6800,2550 6800,3850
GND on Top Layer "Bottom Layer-No Net" (solid, remove dead copper, pour order 28): 1250,3950 1250,2550 6800,2550 6800,3950

## Keep-outs
Keep-Out Layer:
  the board outline again, w10

## Other copper
Top Layer:
  text "队名:大Q巴" at 4635,2650 h50
  text "2017/6/6" at 4940,2645 h50
  text "队员:覃昌祖.刘文财.刘文航" at 4635,2590 h50